# Altium PCB 尺子V3.0.PcbDoc
Units mil, origin at the board's own origin, x right, y up, seen from the top; angles counter-clockwise.
Board outline 3098.3 x 1377.19 mil, 2 copper layers (Top Layer, Bottom Layer); 17 components, 0 nets, 118 pads, 1 vias.
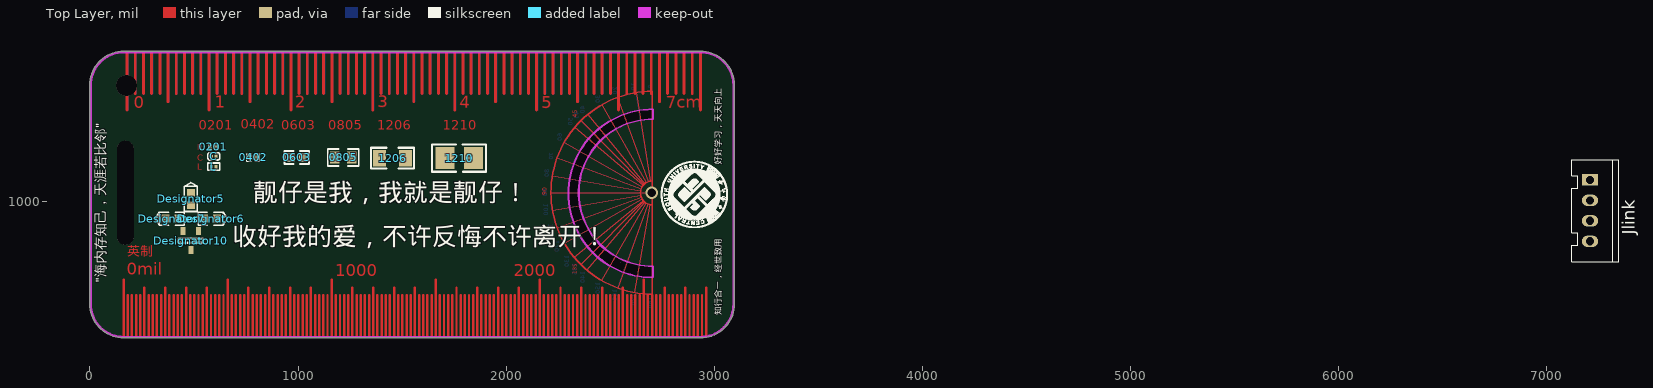
[diagram p0: Top Layer view]
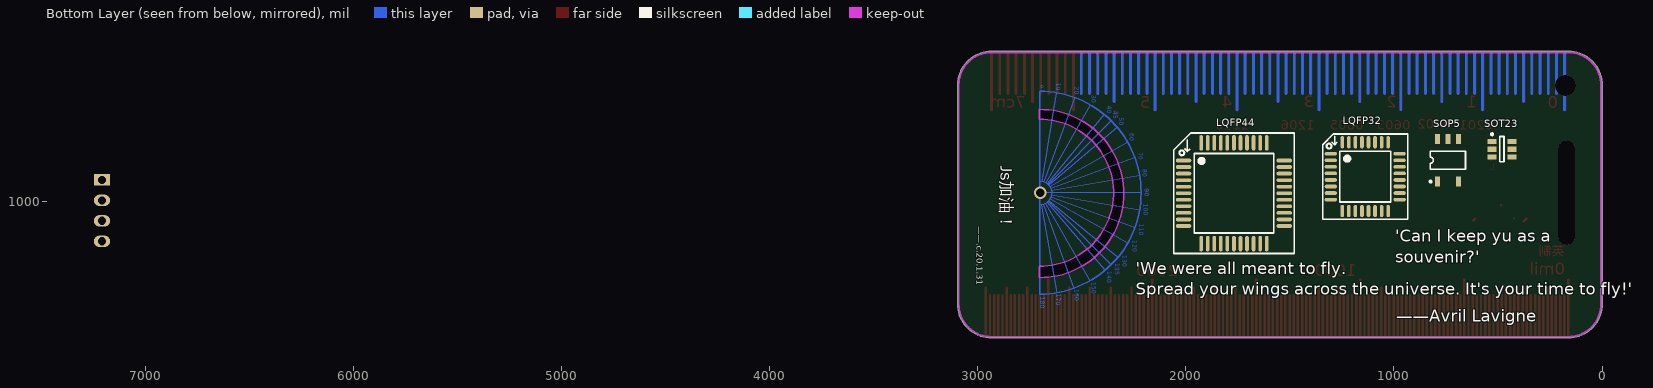
[diagram p1: Bottom Layer view, seen from below]

## Layer stack, top to bottom
Top Solder: solder mask 0.4, Solder Resist, Dk 3.5
Top Layer: signal copper 1.4
Dielectric 1: dielectric 12.6, FR-4, Dk 4.8
Bottom Layer: signal copper 1.4
Bottom Solder: solder mask 0.4, Solder Resist, Dk 3.5

## Board outline
161.69,342.5 cw(c161.69,505) -0.8,505 -0.8,1557.2 cw(c161.69,1557.2) 161.69,1719.7 2935,1719.7 cw(c2935,1557.2) 3097.47,1559.88 cw(c3092.48,1559.41) 3097.49,1559.41 3097.49,505 cw(c2935,505) 2935,342.5
cut-out: 2703.92,632.4 cw(c2702.36,1036.41) 2704.32,1440.41 2704.32,1393 2704.32,1392.98 ccw(c2700.79,1040.04) 2703.92,687.09 2703.92,687.08
cut-out: 2547.69,702.83

## Design rules (kind name [scope] priority, off if disabled: settings)
Clearance [All] p1: gap=10 ignorepadtopadclearanceinfootprint=FALSE except(0: Arc-Hole Track-Hole SMDPad-Hole THPad-Hole Via-Hole Fill-Hole Poly-Hole Region-Hole Text-Hole)
PolygonConnect [All] p1: connectstyle=Relief reliefconductorwidth=10 reliefentries=4 polygonreliefangle="90 Angle" airgapwidth=10
RoutingVias [All] p1: holewidth=28 width=50 viastyle="Through Hole" minholewidth=28 minwidth=50 maxholewidth=28 maxwidth=50
SolderMaskExpansion [All] p1: expansion=4
Width [All] p1: maxlimit=10 minlimit=10 preferedwidth=10
30 further rules are at their usual default settings.

## Components (designator, comment, footprint, x,y, rotation, side; value= is the part's Value field where it differs from the comment)
0201 "0201" 0201 592.99,1260 r0 top
0402 "0402" 0402 785.22,1209.49 r0 top
0603 "0603" 0603 993.89,1209.49 r0 top
0805 "0805" 0805 1217.67,1209.49 r0 top
1206 "1206" 1206 1454.16,1206.1 r0 top
1210 "1210" 1210 1774.61,1206.1 r0 top
C "Comment" LC-0201_C 595,1215 r0 top
Designator5 "Comment" "LED 0603B" 485,1010.32 r270 top
Designator6 "Comment" "LED 0603B" 580,915.32 r180 top
Designator7 "Comment" "LED 0603B" 393.31,915.32 r0 top
Designator10 "Comment" SOT-23 485,810.28 r180 top
Jlink "Comment" 2.54XH接插件4P 7210,1101.85 r270 top
L "Comment" LC-0201_L 595,1165 r0 top
LQFP32 "Comment" LQFP32 1138.19,1117.29 r180 bottom
LQFP44 "Comment" QFP44 1769.29,1037.64 r180 bottom
SOP5 "Comment" SOP5(6) 740.55,1196.03 r180 bottom
SOT23 "Comment" SOT23-6_N 480.85,1249.32 r180 bottom

## Footprints (in the part's own frame and the unit in brackets; to place one, negate y for a bottom-side part, rotate by r counter-clockwise, add the part's x,y. Pads: shape width x height; smd on the part's side, far side on the other; paste and mask are expansions set on the pad)
2.54XH接插件4P [mm]
  rect 1.4x2 hole 1: 1(0,0)
  oval 1.4x2 hole 1: 2(2.5,0) 3(5,0) 4(7.5,0)
  silkscreen extent -2.48,-2.2 9.98,3.5, body extent -2.5,-2.25 10,3.45, height 7
0201 [mil]
  rect 13.8x16 smd: 1(-13,0)
  rect 13.78x16 smd: 2(13,0)
  silkscreen extent -23,-11 23,11
0402 [mil]
  rect 23.62x25.58 smd: 1(-16.7,0) 2(16.7,0)
  silkscreen extent -32,-17 32,17
0603 [mm]
  rect 1x1.1 smd: 1(-0.7,0) 2(0.7,0)
  silkscreen extent -1.5,-0.8 1.5,0.8
0805 [mm]
  rect 1.16x1.45 smd: 1(-1.016,0) 2(1.016,0)
  silkscreen extent -1.9,-1.03 1.87,1.04
1206 [mil]
  rect 63x78.74 smd: 1(-62.99,0) 2(62.99,0)
  silkscreen extent -103,-50 103,50
1210 [mil]
  rect 90.56x106.3 smd: 1(-68,0) 2(68,0)
  silkscreen extent -130,-65 129,66
LC-0201_C [mm]
  rect 0.36x0.4 smd mask+0.051: 1(-0.285,0) 2(0.285,0)
  silkscreen extent -0.71,-0.45 0.72,0.45, body extent -0.3,-0.15 0.3,0.15, height 0.31
LC-0201_L [mm]
  rect 0.36x0.4 smd mask+0.051: 1(-0.285,0) 2(0.285,0)
  silkscreen extent -0.71,-0.45 0.71,0.45
"LED 0603B" [mm] "蓝色0603LED"
  rect 0.93x0.98 smd: A(0.77,0) K(-0.77,0)
  silkscreen extent -2,-0.79 1.53,0.79, body extent -0.8,-0.4 0.8,0.4, height 0.61
LQFP32 [mm]
  oval 1.5x0.45 smd: 1(-4.2,2.8) 2(-4.2,2) 3(-4.2,1.2) 4(-4.2,0.4) 5(-4.2,-0.4) 6(-4.2,-1.2) 7(-4.2,-2) 8(-4.2,-2.8) 17(4.2,-2.8) 18(4.2,-2) 19(4.2,-1.2) 20(4.2,-0.4) 21(4.2,0.4) 22(4.2,1.2) 23(4.2,2) 24(4.2,2.8)
  oval 0.45x1.5 smd: 9(-2.8,-4.2) 10(-2,-4.2) 11(-1.2,-4.2) 12(-0.4,-4.2) 13(0.4,-4.2) 14(1.2,-4.2) 15(2,-4.2) 16(2.8,-4.2) 25(2.8,4.2) 26(2,4.2) 27(1.2,4.2) 28(0.4,4.2) 29(-0.4,4.2) 30(-1.2,4.2) 31(-2,4.2) 32(-2.8,4.2)
  silkscreen extent -5.2,-5.2 5.2,5.2
QFP44 [mm]
  oval 1.9x0.45 smd: 1(-6.15,4) 2(-6.15,3.2) 3(-6.15,2.4) 4(-6.15,1.6) 5(-6.15,0.8) 6(-6.15,0) 7(-6.15,-0.8) 8(-6.15,-1.6) 9(-6.15,-2.4) 10(-6.15,-3.2) 11(-6.15,-4) 23(6.15,-4) 24(6.15,-3.2) 25(6.15,-2.4) 26(6.15,-1.6) 27(6.15,-0.8) 28(6.15,0) 29(6.15,0.8) 30(6.15,1.6) 31(6.15,2.4) 32(6.15,3.2) 33(6.15,4)
  oval 0.45x1.9 smd: 12(-4,-6.15) 13(-3.2,-6.15) 14(-2.4,-6.15) 15(-1.6,-6.15) 16(-0.8,-6.15) 17(0,-6.15) 18(0.8,-6.15) 19(1.6,-6.15) 20(2.4,-6.15) 21(3.2,-6.15) 22(4,-6.15) 34(4,6.15) 35(3.2,6.15) 36(2.4,6.15) 37(1.6,6.15) 38(0.8,6.15) 39(0,6.15) 40(-0.8,6.15) 41(-1.6,6.15) 42(-2.4,6.15) 43(-3.2,6.15) 44(-4,6.15)
  silkscreen extent -7.35,-7.35 7.35,7.35
SOP5(6) [mm] "Small Outline; 6 Leads (1 Absent); Body Width 4.4 mm; Pitch 1.27 mm"
  rect 0.6x1.2 smd: 1(-1.27,-2.6) 3(1.27,-2.6) 4(1.27,2.6) 5(0,2.6) 6(-1.27,2.6)
  silkscreen extent -2.24,-2.72 2.15,1.1
SOT23-6_N [mm] "SOT23, 6-Leads, Body 2.9x1.6mm, Pitch 0.95mm, Lead Span 2.7mm, IPC Medium Density"
  rect 1.1x0.65 smd: 1(-1.2,0.95) 2(-1.2,0) 3(-1.2,-0.95) 4(1.2,-0.95) 5(1.2,0) 6(1.2,0.95)
  silkscreen extent -1.33,-1.55 0.25,1.95, body extent -0.9,-1.55 0.9,1.55, height 1.45
SOT-23 [mm] "SOT-23-3"
  rect 0.6x1 smd: 1(-0.95,-1.15) 2(0.95,-1.15) 3(0,1.15)
  silkscreen extent -1.5,-0.27 1.5,0.27, body extent -1.46,-1.28 1.46,1.27, height 0.99

## Free pads (board coordinates)
  oval 80x500 hole 80 slot 500 at 90 deg copper offset -0.01,-0.01: 1(170,1040)
  round 100 hole 100: 5(175,1555)

## Via types
v1: diameter 60, hole 40, Top Layer to Bottom Layer, 1 vias

## Nets (pads, with @x,y where several pads share a name; then routed paths per layer and width w, separated by ;. In a path a pad name is that pad's centre, name@x,y a point inside that pad or via, vN(x,y) a via of type N, cw(c..) or ccw(c..) an arc to the next point about the centre after c; other vN are vias at no path point)
pads on no net: 0201.1 0201.2 0402.1 0402.2 0603.1 0603.2 0805.1 0805.2 1206.1 1206.2 1210.1 1210.2 C.1 C.2 Designator5.A Designator5.K Designator6.A Designator6.K Designator7.A Designator7.K Designator10.1 Designator10.2 Designator10.3 Jlink.1 Jlink.2 Jlink.3 Jlink.4 L.1 L.2 LQFP32.1 LQFP32.2 LQFP32.3 LQFP32.4 LQFP32.5 LQFP32.6 LQFP32.7 LQFP32.8 LQFP32.9 LQFP32.10 LQFP32.11 LQFP32.12 LQFP32.13 LQFP32.14 LQFP32.15 LQFP32.16 LQFP32.17 LQFP32.18 LQFP32.19 LQFP32.20 LQFP32.21 LQFP32.22 LQFP32.23 LQFP32.24 LQFP32.25 LQFP32.26 LQFP32.27 LQFP32.28 LQFP32.29 LQFP32.30 LQFP32.31 LQFP32.32 LQFP44.1 LQFP44.2 LQFP44.3 LQFP44.4 LQFP44.5 LQFP44.6 LQFP44.7 LQFP44.8 LQFP44.9 LQFP44.10 LQFP44.11 LQFP44.12 LQFP44.13 LQFP44.14 LQFP44.15 LQFP44.16 LQFP44.17 LQFP44.18 LQFP44.19 LQFP44.20 LQFP44.21 LQFP44.22 LQFP44.23 LQFP44.24 LQFP44.25 LQFP44.26 LQFP44.27 LQFP44.28 LQFP44.29 LQFP44.30 LQFP44.31 LQFP44.32 LQFP44.33 LQFP44.34 LQFP44.35 LQFP44.36 LQFP44.37 LQFP44.38 LQFP44.39 LQFP44.40 LQFP44.41 LQFP44.42 LQFP44.43 LQFP44.44 SOP5.1 SOP5.3 SOP5.4 SOP5.5 SOP5.6 SOT23.1 SOT23.2 SOT23.3 SOT23.4 SOT23.5 SOT23.6
copper on no net: | length 78728.2
  Top Layer w5.9: 2215.75,1039.33 v1@2703.99,1039.6 ; 2222.76,1122.84 2646.66,1049.11 ; 2223.26,955.07 2646.36,1029.12 ; 2245.41,1207.92 2649.26,1058.79 ; 2246.05,871.13 2649.24,1019.28 ; 2280,1282.41 2653.52,1067.92 ; 2280.74,797.09 2653.54,1010.07 ; 2327.44,729.72 2659.35,1001.79 ; 2330.47,1354.7 2659.23,1076.09 ; 2359.17,694.87 2662.74,998.08 ; 2360.31,1387.05 2662.71,1079.9 ; 2388.8,667.67 2666.53,994.62 ; 2393.51,1417.05 2666.22,1083.13 ; 2459.62,1462.89 2674.55,1089 ; 2460.29,617.51 2674.74,988.9 ; 2534.79,1498.15 2683.29,1093.15 ; 2538.16,581.4 2683.86,984.65 ; 2618.07,560.04 2693.44,982.08 ; 2624.83,1521.9 2693.79,1096
  Top Layer w6.97: 2703.6,981.18 cw(c2703.6,1039.01) 2703.6,1096.83 ; 2703.66,552.48 cw(c2703.66,1040.39) 2703.66,1528.31 2703.66,552.48
  Top Layer w10: 362.99,915.32 376.3,902.01 ; 610.32,915.32 620,905.63
  Top Layer w11.81: 161.69,347.52 161.69,622.52 ; 181.69,347.52 181.69,547.52 ; 201.69,347.52 201.69,527.52 201.69,547.52 ; 221.69,347.52 221.69,547.52 ; 241.69,347.52 241.69,547.52 ; 261.69,347.52 261.69,582.52 ; 281.69,347.52 281.69,547.52 ; 301.69,347.52 301.69,547.52 ; 321.69,347.52 321.69,547.52 ; 341.69,347.52 341.69,547.52 ; 361.69,347.52 361.69,582.52 ; 381.69,347.52 381.69,547.52 ; 401.69,347.52 401.69,527.52 401.69,547.52 ; 421.69,347.52 421.69,547.52 ; 441.69,347.52 441.69,547.52 ; 461.69,347.52 461.69,582.52 ; 481.69,347.52 481.69,547.52 ; 501.69,347.52 501.69,547.52 ; 521.69,347.52 521.69,547.52 ; 541.69,347.52 541.69,547.52 ; 561.69,347.52 561.69,582.52 ; 581.69,347.52 581.69,547.52 ; 601.69,347.52 601.69,527.52 601.69,547.52 ; 621.69,347.52 621.69,547.52 ; 641.69,347.52 641.69,547.52 ; 661.69,347.52 661.69,622.52 ; 681.69,347.52 681.69,547.52 ; 701.69,347.52 701.69,547.52 ; 721.69,347.52 721.69,547.52 ; 741.69,347.52 741.69,547.52 ; 761.69,347.52 761.69,582.52 ; 781.69,347.52 781.69,547.52 ; 801.69,347.52 801.69,527.52 801.69,547.52 ; 821.69,347.52 821.69,547.52 ; 841.69,347.52 841.69,547.52 ; 861.69,347.52 861.69,582.52 ; 881.69,347.52 881.69,547.52 ; 901.69,347.52 901.69,547.52 ; 921.69,347.52 921.69,547.52 ; 941.69,347.52 941.69,547.52 ; 961.69,347.52 961.69,582.52 ; 981.69,347.52 981.69,547.52 ; 1001.69,347.52 1001.69,527.52 1001.69,547.52 ; 1021.69,347.52 1021.69,547.52 ; 1041.69,347.52 1041.69,547.52 ; 1061.69,347.52 1061.69,582.52 ; 1081.69,347.52 1081.69,547.52 ; 1101.69,347.52 1101.69,547.52 ; 1121.69,347.52 1121.69,547.52 ; 1141.69,347.52 1141.69,547.52 ; 1161.69,347.52 1161.69,622.52 ; 1181.69,347.52 1181.69,547.52 ; 1201.69,347.52 1201.69,527.52 1201.69,547.52 ; 1221.69,347.52 1221.69,547.52 ; 1241.69,347.52 1241.69,547.52 ; 1261.69,347.52 1261.69,582.52 ; 1281.69,347.52 1281.69,547.52 ; 1301.69,347.52 1301.69,547.52 ; 1321.69,347.52 1321.69,547.52 ; 1341.69,347.52 1341.69,547.52 ; 1361.69,347.52 1361.69,582.52 ; 1381.69,347.52 1381.69,547.52 ; 1401.69,347.52 1401.69,527.52 1401.69,547.52 ; 1421.69,347.52 1421.69,547.52 ; 1441.69,347.52 1441.69,547.52 ; 1461.69,347.52 1461.69,582.52 ; 1481.69,347.52 1481.69,547.52 ; 1501.69,347.52 1501.69,547.52 ; 1521.69,347.52 1521.69,547.52 ; 1541.69,347.52 1541.69,547.52 ; 1561.69,347.52 1561.69,582.52 ; 1581.69,347.52 1581.69,547.52 ; 1601.69,347.52 1601.69,527.52 1601.69,547.52 ; 1621.69,347.52 1621.69,547.52 ; 1641.69,347.52 1641.69,547.52 ; 1661.69,347.52 1661.69,622.52 ; 1681.69,347.52 1681.69,547.52 ; 1701.69,347.52 1701.69,547.52 ; 1721.69,347.52 1721.69,547.52 ; 1741.69,347.52 1741.69,547.52 ; 1761.69,347.52 1761.69,582.52 ; 1781.69,347.52 1781.69,547.52 ; 1801.69,347.52 1801.69,527.52 1801.69,547.52 ; 1821.69,347.52 1821.69,547.52 ; 1841.69,347.52 1841.69,547.52 ; 1861.69,347.52 1861.69,582.52 ; 1881.69,347.52 1881.69,547.52 ; 1901.69,347.52 1901.69,547.52 ; 1921.69,347.52 1921.69,547.52 ; 1941.69,347.52 1941.69,547.52 ; 1961.69,347.52 1961.69,582.52 ; 1981.69,347.52 1981.69,547.52 ; 2001.69,347.52 2001.69,527.52 2001.69,547.52 ; 2021.69,347.52 2021.69,547.52 ; 2041.69,347.52 2041.69,547.52 ; 2061.69,347.52 2061.69,582.52 ; 2081.69,347.52 2081.69,547.52 ; 2101.69,347.52 2101.69,547.52 ; 2121.69,347.52 2121.69,547.52 ; 2141.69,347.52 2141.69,547.52 ; 2161.69,347.52 2161.69,622.52 ; 2181.69,347.52 2181.69,547.52 ; 2201.69,347.52 2201.69,527.52 2201.69,547.52 ; 2221.69,347.52 2221.69,547.52 ; 2241.69,347.52 2241.69,547.52 ; 2261.69,347.52 2261.69,582.52 ; 2281.69,347.52 2281.69,547.52 ; 2301.69,347.52 2301.69,547.52 ; 2321.69,347.52 2321.69,547.52 ; 2341.69,347.52 2341.69,547.52 ; 2361.69,347.52 2361.69,582.52 ; 2381.69,347.52 2381.69,547.52 ; 2401.69,347.52 2401.69,527.52 2401.69,547.52 ; 2421.69,347.52 2421.69,547.52 ; 2441.69,347.52 2441.69,547.52 ; 2461.69,347.52 2461.69,582.52 ; 2481.69,347.52 2481.69,547.52 ; 2501.69,347.52 2501.69,547.52 ; 2521.69,347.52 2521.69,547.52 ; 2541.69,347.52 2541.69,547.52 ; 2561.69,347.52 2561.69,582.52 ; 2581.69,347.52 2581.69,547.52 ; 2601.69,347.52 2601.69,527.52 2601.69,547.52 ; 2621.69,347.52 2621.69,547.52 ; 2641.69,347.52 2641.69,547.52 ; 2661.69,347.52 2661.69,622.52 ; 2681.69,347.52 2681.69,547.52 ; 2701.69,347.52 2701.69,547.52 ; 2721.69,347.52 2721.69,547.52 ; 2741.69,347.52 2741.69,547.52 ; 2761.69,347.52 2761.69,582.52 ; 2781.69,347.52 2781.69,547.52 ; 2801.69,347.52 2801.69,527.52 2801.69,547.52 ; 2821.69,347.52 2821.69,547.52 ; 2841.69,347.52 2841.69,547.52 ; 2861.69,347.52 2861.69,582.52 ; 2881.69,347.52 2881.69,547.52 ; 2901.69,347.52 2901.69,547.52 ; 2921.69,347.52 2921.69,547.52 ; 2941.69,347.52 2941.69,547.52 ; 2961.69,347.52 2961.69,582.52
  Top Layer w13.78: 178.31,1437.99 178.31,1713.58 ; 217.68,1516.73 217.68,1713.58 ; 257.05,1516.73 257.05,1713.58 ; 296.42,1516.73 296.42,1713.58 ; 335.79,1516.73 335.79,1713.58 ; 375.16,1477.36 375.16,1713.58 ; 414.53,1516.73 414.53,1713.58 ; 453.9,1516.73 453.9,1713.58 ; 493.27,1516.73 493.27,1713.58 ; 532.64,1516.73 532.64,1713.58 ; 572.01,1437.99 572.01,1713.58 ; 611.38,1516.73 611.38,1713.58 ; 650.75,1516.73 650.75,1713.58 ; 690.12,1516.73 690.12,1713.58 ; 729.49,1516.73 729.49,1713.58 ; 768.86,1477.36 768.86,1713.58 ; 808.23,1516.73 808.23,1713.58 ; 847.6,1516.73 847.6,1713.58 ; 886.97,1516.73 886.97,1713.58 ; 926.34,1516.73 926.34,1713.58 ; 965.71,1437.99 965.71,1713.58 ; 1005.08,1516.73 1005.08,1713.58 ; 1044.45,1516.73 1044.45,1713.58 ; 1083.82,1516.73 1083.82,1713.58 ; 1123.19,1516.73 1123.19,1713.58 ; 1162.56,1477.36 1162.56,1713.58 ; 1201.93,1516.73 1201.93,1713.58 ; 1241.3,1516.73 1241.3,1713.58 ; 1280.67,1516.73 1280.67,1713.58 ; 1320.04,1516.73 1320.04,1713.58 ; 1359.41,1437.99 1359.41,1713.58 ; 1398.78,1516.73 1398.78,1713.58 ; 1438.15,1516.73 1438.15,1713.58 ; 1477.52,1516.73 1477.52,1713.58 ; 1516.89,1516.73 1516.89,1713.58 ; 1556.26,1477.36 1556.26,1713.58 ; 1595.63,1516.73 1595.63,1713.58 ; 1635,1516.73 1635,1713.58 ; 1674.37,1516.73 1674.37,1713.58 ; 1713.74,1516.73 1713.74,1713.58 ; 1753.11,1437.99 1753.11,1713.58 ; 1792.48,1516.73 1792.48,1713.58 ; 1831.85,1516.73 1831.85,1713.58 ; 1871.22,1516.73 1871.22,1713.58 ; 1910.59,1516.73 1910.59,1713.58 ; 1949.96,1477.36 1949.96,1713.58 ; 1989.33,1516.73 1989.33,1713.58 ; 2028.7,1516.73 2028.7,1713.58 ; 2068.07,1516.73 2068.07,1713.58 ; 2107.44,1516.73 2107.44,1713.58 ; 2146.81,1437.99 2146.81,1713.58 ; 2186.18,1516.73 2186.18,1713.58 ; 2225.55,1516.73 2225.55,1713.58 ; 2264.92,1516.73 2264.92,1713.58 ; 2304.29,1516.73 2304.29,1713.58 ; 2343.66,1477.36 2343.66,1713.58 ; 2383.03,1516.73 2383.03,1713.58 ; 2422.4,1516.73 2422.4,1713.58 ; 2461.77,1516.73 2461.77,1713.58 ; 2501.14,1516.73 2501.14,1713.58 ; 2540.51,1437.99 2540.51,1713.58 ; 2579.88,1516.73 2579.88,1713.58 ; 2619.25,1516.73 2619.25,1713.58 ; 2658.62,1516.73 2658.62,1713.58 ; 2697.99,1516.73 2697.99,1713.58 ; 2737.36,1477.36 2737.36,1713.58 ; 2776.73,1516.73 2776.73,1713.58 ; 2816.1,1516.73 2816.1,1713.58 ; 2855.47,1516.73 2855.47,1713.58 ; 2894.84,1516.73 2894.84,1713.58 ; 2934.21,1437.99 2934.21,1713.58
  Bottom Layer w5.9: 2215.42,1039.21 v1@2703.99,1039.6 ; 2222.44,1122.72 2646.34,1048.99 ; 2222.94,954.95 2646.33,1028.81 ; 2245.08,1207.8 2648.94,1058.67 ; 2245.72,871.01 2648.92,1019.16 ; 2279.67,1282.28 2653.19,1067.79 ; 2280.41,796.96 2653.21,1009.95 ; 2327.11,729.59 2659.02,1001.66 ; 2330.14,1354.58 2658.9,1075.96 ; 2358.85,694.74 2662.42,997.96 ; 2359.99,1386.93 2662.39,1079.77 ; 2388.47,667.55 2666.21,994.5 ; 2393.19,1416.93 2665.9,1083 ; 2459.29,1462.77 2674.22,1088.88 ; 2459.97,617.38 2674.41,988.77 ; 2534.47,1498.03 2682.96,1093.02 ; 2537.84,581.28 2683.54,984.53 ; 2617.74,559.92 2693.11,981.96 ; 2624.5,1521.78 2693.47,1095.87 ; 2703.28,981.06 cw(c2703.28,1038.88) 2703.28,1096.71
  Bottom Layer w6.97: 2703.34,552.35 cw(c2703.34,1040.27) 2703.34,1528.19 2703.34,552.35
  Bottom Layer w13.78: 180,1439.09 180,1714.68 ; 219.37,1517.83 219.37,1714.68 ; 258.74,1517.83 258.74,1714.68 ; 298.11,1517.83 298.11,1714.68 ; 337.48,1517.83 337.48,1714.68 ; 376.85,1478.46 376.85,1714.68 ; 416.22,1517.83 416.22,1714.68 ; 455.59,1517.83 455.59,1714.68 ; 494.96,1517.83 494.96,1714.68 ; 534.33,1517.83 534.33,1714.68 ; 573.7,1439.09 573.7,1714.68 ; 613.07,1517.83 613.07,1714.68 ; 652.44,1517.83 652.44,1714.68 ; 691.81,1517.83 691.81,1714.68 ; 731.18,1517.83 731.18,1714.68 ; 770.55,1478.46 770.55,1714.68 ; 809.92,1517.83 809.92,1714.68 ; 849.29,1517.83 849.29,1714.68 ; 888.66,1517.83 888.66,1714.68 ; 928.03,1517.83 928.03,1714.68 ; 967.4,1439.09 967.4,1714.68 ; 1006.77,1517.83 1006.77,1714.68 ; 1046.14,1517.83 1046.14,1714.68 ; 1085.51,1517.83 1085.51,1714.68 ; 1124.88,1517.83 1124.88,1714.68 ; 1164.25,1478.46 1164.25,1714.68 ; 1203.62,1517.83 1203.62,1714.68 ; 1242.99,1517.83 1242.99,1714.68 ; 1282.36,1517.83 1282.36,1714.68 ; 1321.73,1517.83 1321.73,1714.68 ; 1361.1,1439.09 1361.1,1714.68 ; 1400.47,1517.83 1400.47,1714.68 ; 1439.84,1517.83 1439.84,1714.68 ; 1479.21,1517.83 1479.21,1714.68 ; 1518.58,1517.83 1518.58,1714.68 ; 1557.95,1478.46 1557.95,1714.68 ; 1597.32,1517.83 1597.32,1714.68 ; 1636.69,1517.83 1636.69,1714.68 ; 1676.06,1517.83 1676.06,1714.68 ; 1715.43,1517.83 1715.43,1714.68 ; 1754.8,1439.09 1754.8,1714.68 ; 1794.17,1517.83 1794.17,1714.68 ; 1833.55,1517.83 1833.55,1714.68 ; 1872.91,1517.83 1872.91,1714.68 ; 1912.29,1517.83 1912.29,1714.68 ; 1951.65,1478.46 1951.65,1714.68 ; 1991.03,1517.83 1991.03,1714.68 ; 2030.39,1517.83 2030.39,1714.68 ; 2069.76,1517.83 2069.76,1714.68 ; 2109.14,1517.83 2109.14,1714.68 ; 2148.51,1439.09 2148.51,1714.68 ; 2187.88,1517.83 2187.88,1714.68 ; 2227.25,1517.83 2227.25,1714.68 ; 2266.62,1517.83 2266.62,1714.68 ; 2305.99,1517.83 2305.99,1714.68 ; 2345.36,1478.46 2345.36,1714.68 ; 2384.73,1517.83 2384.73,1714.68 ; 2424.1,1517.83 2424.1,1714.68 ; 2463.47,1517.83 2463.47,1714.68 ; 2502.84,1517.83 2502.84,1714.68
  other v1: 2700.79,1040.04

## Keep-outs
Top Layer:
  lines w6.97: 2706.79,632.76 cw(c2705.22,1036.76) 2707.19,1440.77 2707.19,1393.35 ccw(c2703.66,1040.39) 2706.79,687.45 2706.79,632.76
Keep-Out Layer:
  pour cut-out: 2703.92,632.4 cw(c2702.36,1036.41) 2704.32,1440.41 2704.32,1393 2704.32,1392.98 ccw(c2700.79,1040.04) 2703.92,687.09 2703.92,687.08
  lines w6.97: 2703.92,632.4 cw(c2702.36,1036.41) 2704.32,1440.42 2704.32,1393 ccw(c2700.79,1040.04) 2703.92,687.09 2703.92,632.41
  lines w10: 3092.48,1557.2 ccw(c2935,1557.2) 2935,1714.68 161.69,1714.68 ccw(c161.69,1557.2) 4.21,1557.2 4.21,505 ccw(c161.69,505) 161.69,347.52 2935,347.52 ccw(c2935,505) 3092.48,505 3092.48,1559.41

## Other copper
Top Layer:
  text "3" at 1381.48,1432.59 h98.42 r358
  text "1" at 600.6,1430.09 h98.42
  text "4" at 1775,1429.61 h98.42 r358
  text "2" at 987.29,1428.47 h98.42 r1
  text "5" at 2170.27,1426.88 h98.42 r359
  text "0" at 209.5,1426.48 h98.42
  text "7cm" at 2768.89,1426.15 h98.42 r1
  text "45" at 2349.75,1399.64 h34.85 r90
  text "R" at 515,1245 h30
  text "90" at 2202.04,1028.2 h35.41 r90
  text "英制" at 179.99,719.4 h78.74
  text "135" at 2347.04,647.55 h33.63 r89
  text "0mil" at 176.8,626.22 h98.42
  text "1000" at 1178.48,619.62 h98.42
  text "2000" at 2037.36,620.49 h98.42
Bottom Layer:
  text "10" at 2630.17,1569.33 h36.07 r91
  text "0" at 2706.83,1557.38 h31.21 r87
  text "20" at 2541.87,1548.44 h34.85 r90
  text "30" at 2460.58,1508.95 h34.85 r90
  text "40" at 2386.2,1457.8 h36.07 r91
  text "45" at 2355.54,1431.73 h34.85 r90
  text "50" at 2328.15,1399.73 h34.85 r90
  text "60" at 2277.02,1325.34 h34.85 r90
  text "70" at 2232.86,1232.44 h33.63 r89
  text "80" at 2214.31,1153.46 h34.85 r90
  text "90" at 2204.99,1058.67 h34.85 r90
  text "100" at 2209.66,986.46 h34.85 r90
  text "110" at 2230.57,891.21 h36.07 r91
  text "120" at 2263.06,812.22 h36.07 r91
  text "130" at 2311.87,740.19 h34.85 r90
  text "135" at 2346.74,700.18 h36.07 r91
  text "140" at 2386.23,663.48 h36.07 r91
  text "150" at 2460.55,610.1 h34.85 r90
  text "160" at 2541.86,575.24 h34.85 r90
  text "170" at 2630.15,554.3 h36.07 r91
  text "180" at 2706.82,540.37 h34.85 r90

## Silkscreen, mask and mechanical layers (free items; w line width, h text height)
Top Overlay:
  drawing of 5268 lines, arcs and shapes, not listed
  text "好好学习，天天向上" at 3045,1175 h50 r90
  text "靓仔是我，我就是靓仔！" at 785,970 h150
  text "收好我的爱，不许反悔不许离开！" at 685,760 h150
  text "\"海内存知己，天涯若比邻\"" at 90,605 h80 r90
  text "知行合一，经世致用" at 3045,450 h50 r90
Bottom Overlay:
  text "Js加油！" at 2910,1170 h100 r90
  text "——.c.20.1.31" at 3015,880 h50 r90
  text "'Can I keep yu as a  / souvenir?'" at 995,685 h100
  text "'We were all meant to fly. / Spread your wings across the universe. It's your time to fly!'" at 2240,530 h100
  text "——Avril Lavigne" at 990,400 h100
Top Solder:
  drawing of 250 lines, arcs and shapes, not listed
  text "3" at 1381.48,1432.59 h98.42 r358
  text "1" at 600.6,1430.09 h98.42
  text "4" at 1774.15,1429.61 h98.42 r358
  text "2" at 987.29,1428.47 h98.42 r1
  text "5" at 2170.27,1426.88 h98.42 r359
  text "0" at 209.5,1426.48 h98.42
  text "7cm" at 2768.89,1426.15 h98.42 r1
  text "45" at 2349.22,1399.99 h34.85 r90
  text "0402" at 725,1330 h78.74
  text "0201" at 523.31,1326.97 h78.74
  text "0603" at 918.23,1326.97 h78.74
  text "0805" at 1145,1325 h78.74
  text "1206" at 1380,1325 h78.74
  text "1210" at 1695,1325 h78.74
  text "R" at 515,1245 h30
  text "C" at 515,1195 h30
  text "L" at 515,1150 h30
  text "90" at 2202.04,1028.2 h35.41 r90
  text "英制" at 179.99,719.4 h78.74
  text "135" at 2346.62,647.55 h33.63 r89
  text "0mil" at 176.83,626.23 h98.42
  text "2000" at 2037.39,620.5 h98.42
  text "1000" at 1178.51,619.63 h98.42
Bottom Solder:
  lines w3: 8077.04,0 ccw(c8077.04,8.89) 8085.93,8.89
  lines w8.26: 2215.42,1039.21 2703.99,1039.6 ; 2222.44,1122.72 2646.34,1048.99 ; 2222.94,954.95 2646.33,1028.81 ; 2245.08,1207.8 2648.94,1058.67 ; 2245.72,871.01 2648.92,1019.16 ; 2279.67,1282.28 2653.19,1067.79 ; 2280.41,796.96 2653.21,1009.95 ; 2327.11,729.59 2659.02,1001.66 ; 2330.14,1354.58 2658.9,1075.96 ; 2358.85,694.74 2662.42,997.96 ; 2359.99,1386.93 2662.39,1079.77 ; 2388.47,667.55 2666.21,994.5 ; 2393.19,1416.93 2665.9,1083 ; 2459.29,1462.77 2674.22,1088.88 ; 2459.97,617.38 2674.41,988.77 ; 2534.47,1498.03 2682.96,1093.02 ; 2537.84,581.28 2683.54,984.53 ; 2617.74,559.92 2693.11,981.96 ; 2624.5,1521.78 2693.47,1095.87 ; 2703.28,981.06 cw(c2703.28,1038.88) 2703.28,1096.71
  lines w9.33: 2703.34,552.35 cw(c2703.34,1040.27) 2703.34,1528.19 ; 2703.34,552.35 cw(c2703.34,1040.27) 2703.34,1528.19 ; 2703.34,552.35 2703.34,1528.19
  lines w13.78: 180,1439.09 180,1714.68 ; 219.37,1517.83 219.37,1714.68 ; 258.74,1517.83 258.74,1714.68 ; 298.11,1517.83 298.11,1714.68 ; 337.48,1517.83 337.48,1714.68 ; 376.85,1478.46 376.85,1714.68 ; 416.22,1517.83 416.22,1714.68 ; 455.59,1517.83 455.59,1714.68 ; 494.96,1517.83 494.96,1714.68 ; 534.33,1517.83 534.33,1714.68 ; 573.7,1439.09 573.7,1714.68 ; 613.07,1517.83 613.07,1714.68 ; 652.44,1517.83 652.44,1714.68 ; 691.81,1517.83 691.81,1714.68 ; 731.18,1517.83 731.18,1714.68 ; 770.55,1478.46 770.55,1714.68 ; 809.92,1517.83 809.92,1714.68 ; 849.29,1517.83 849.29,1714.68 ; 888.66,1517.83 888.66,1714.68 ; 928.03,1517.83 928.03,1714.68 ; 967.4,1439.09 967.4,1714.68 ; 1006.77,1517.83 1006.77,1714.68 ; 1046.14,1517.83 1046.14,1714.68 ; 1085.51,1517.83 1085.51,1714.68 ; 1124.88,1517.83 1124.88,1714.68 ; 1164.25,1478.46 1164.25,1714.68 ; 1203.62,1517.83 1203.62,1714.68 ; 1242.99,1517.83 1242.99,1714.68 ; 1282.36,1517.83 1282.36,1714.68 ; 1321.73,1517.83 1321.73,1714.68 ; 1361.1,1439.09 1361.1,1714.68 ; 1400.47,1517.83 1400.47,1714.68 ; 1439.84,1517.83 1439.84,1714.68 ; 1479.21,1517.83 1479.21,1714.68 ; 1518.58,1517.83 1518.58,1714.68 ; 1557.95,1478.46 1557.95,1714.68 ; 1597.32,1517.83 1597.32,1714.68 ; 1636.69,1517.83 1636.69,1714.68 ; 1676.06,1517.83 1676.06,1714.68 ; 1715.43,1517.83 1715.43,1714.68 ; 1754.8,1439.09 1754.8,1714.68 ; 1794.17,1517.83 1794.17,1714.68 ; 1833.55,1517.83 1833.55,1714.68 ; 1872.91,1517.83 1872.91,1714.68 ; 1912.29,1517.83 1912.29,1714.68 ; 1951.65,1478.46 1951.65,1714.68 ; 1991.03,1517.83 1991.03,1714.68 ; 2030.39,1517.83 2030.39,1714.68 ; 2069.76,1517.83 2069.76,1714.68 ; 2109.14,1517.83 2109.14,1714.68 ; 2148.51,1439.09 2148.51,1714.68 ; 2187.88,1517.83 2187.88,1714.68 ; 2227.25,1517.83 2227.25,1714.68 ; 2266.62,1517.83 2266.62,1714.68 ; 2305.99,1517.83 2305.99,1714.68 ; 2345.36,1478.46 2345.36,1714.68 ; 2384.73,1517.83 2384.73,1714.68 ; 2424.1,1517.83 2424.1,1714.68 ; 2463.47,1517.83 2463.47,1714.68 ; 2502.84,1517.83 2502.84,1714.68
  text "10" at 2630.17,1569.33 h36.07 r91
  text "0" at 2706.83,1557.38 h31.21 r87
  text "20" at 2541.87,1548.44 h34.85 r90
  text "30" at 2460.58,1508.95 h34.85 r90
  text "40" at 2386.2,1457.8 h36.07 r91
  text "45" at 2355.54,1431.73 h34.85 r90
  text "50" at 2328.15,1399.73 h34.85 r90
  text "60" at 2277.02,1325.34 h34.85 r90
  text "70" at 2232.86,1232.44 h33.63 r89
  text "80" at 2214.31,1153.46 h34.85 r90
  text "90" at 2204.99,1058.67 h34.85 r90
  text "100" at 2209.66,986.46 h34.85 r90
  text "110" at 2230.57,891.21 h36.07 r91
  text "120" at 2263.06,812.22 h36.07 r91
  text "130" at 2311.87,740.19 h34.85 r90
  text "135" at 2346.74,700.18 h36.07 r91
  text "140" at 2386.23,663.48 h36.07 r91
  text "150" at 2460.55,610.1 h34.85 r90
  text "160" at 2541.86,575.24 h34.85 r90
  text "170" at 2630.15,554.3 h36.07 r91
  text "180" at 2706.82,540.37 h34.85 r90